# Altium PCB EPS.PcbDoc (part 1 of 11) (continued)
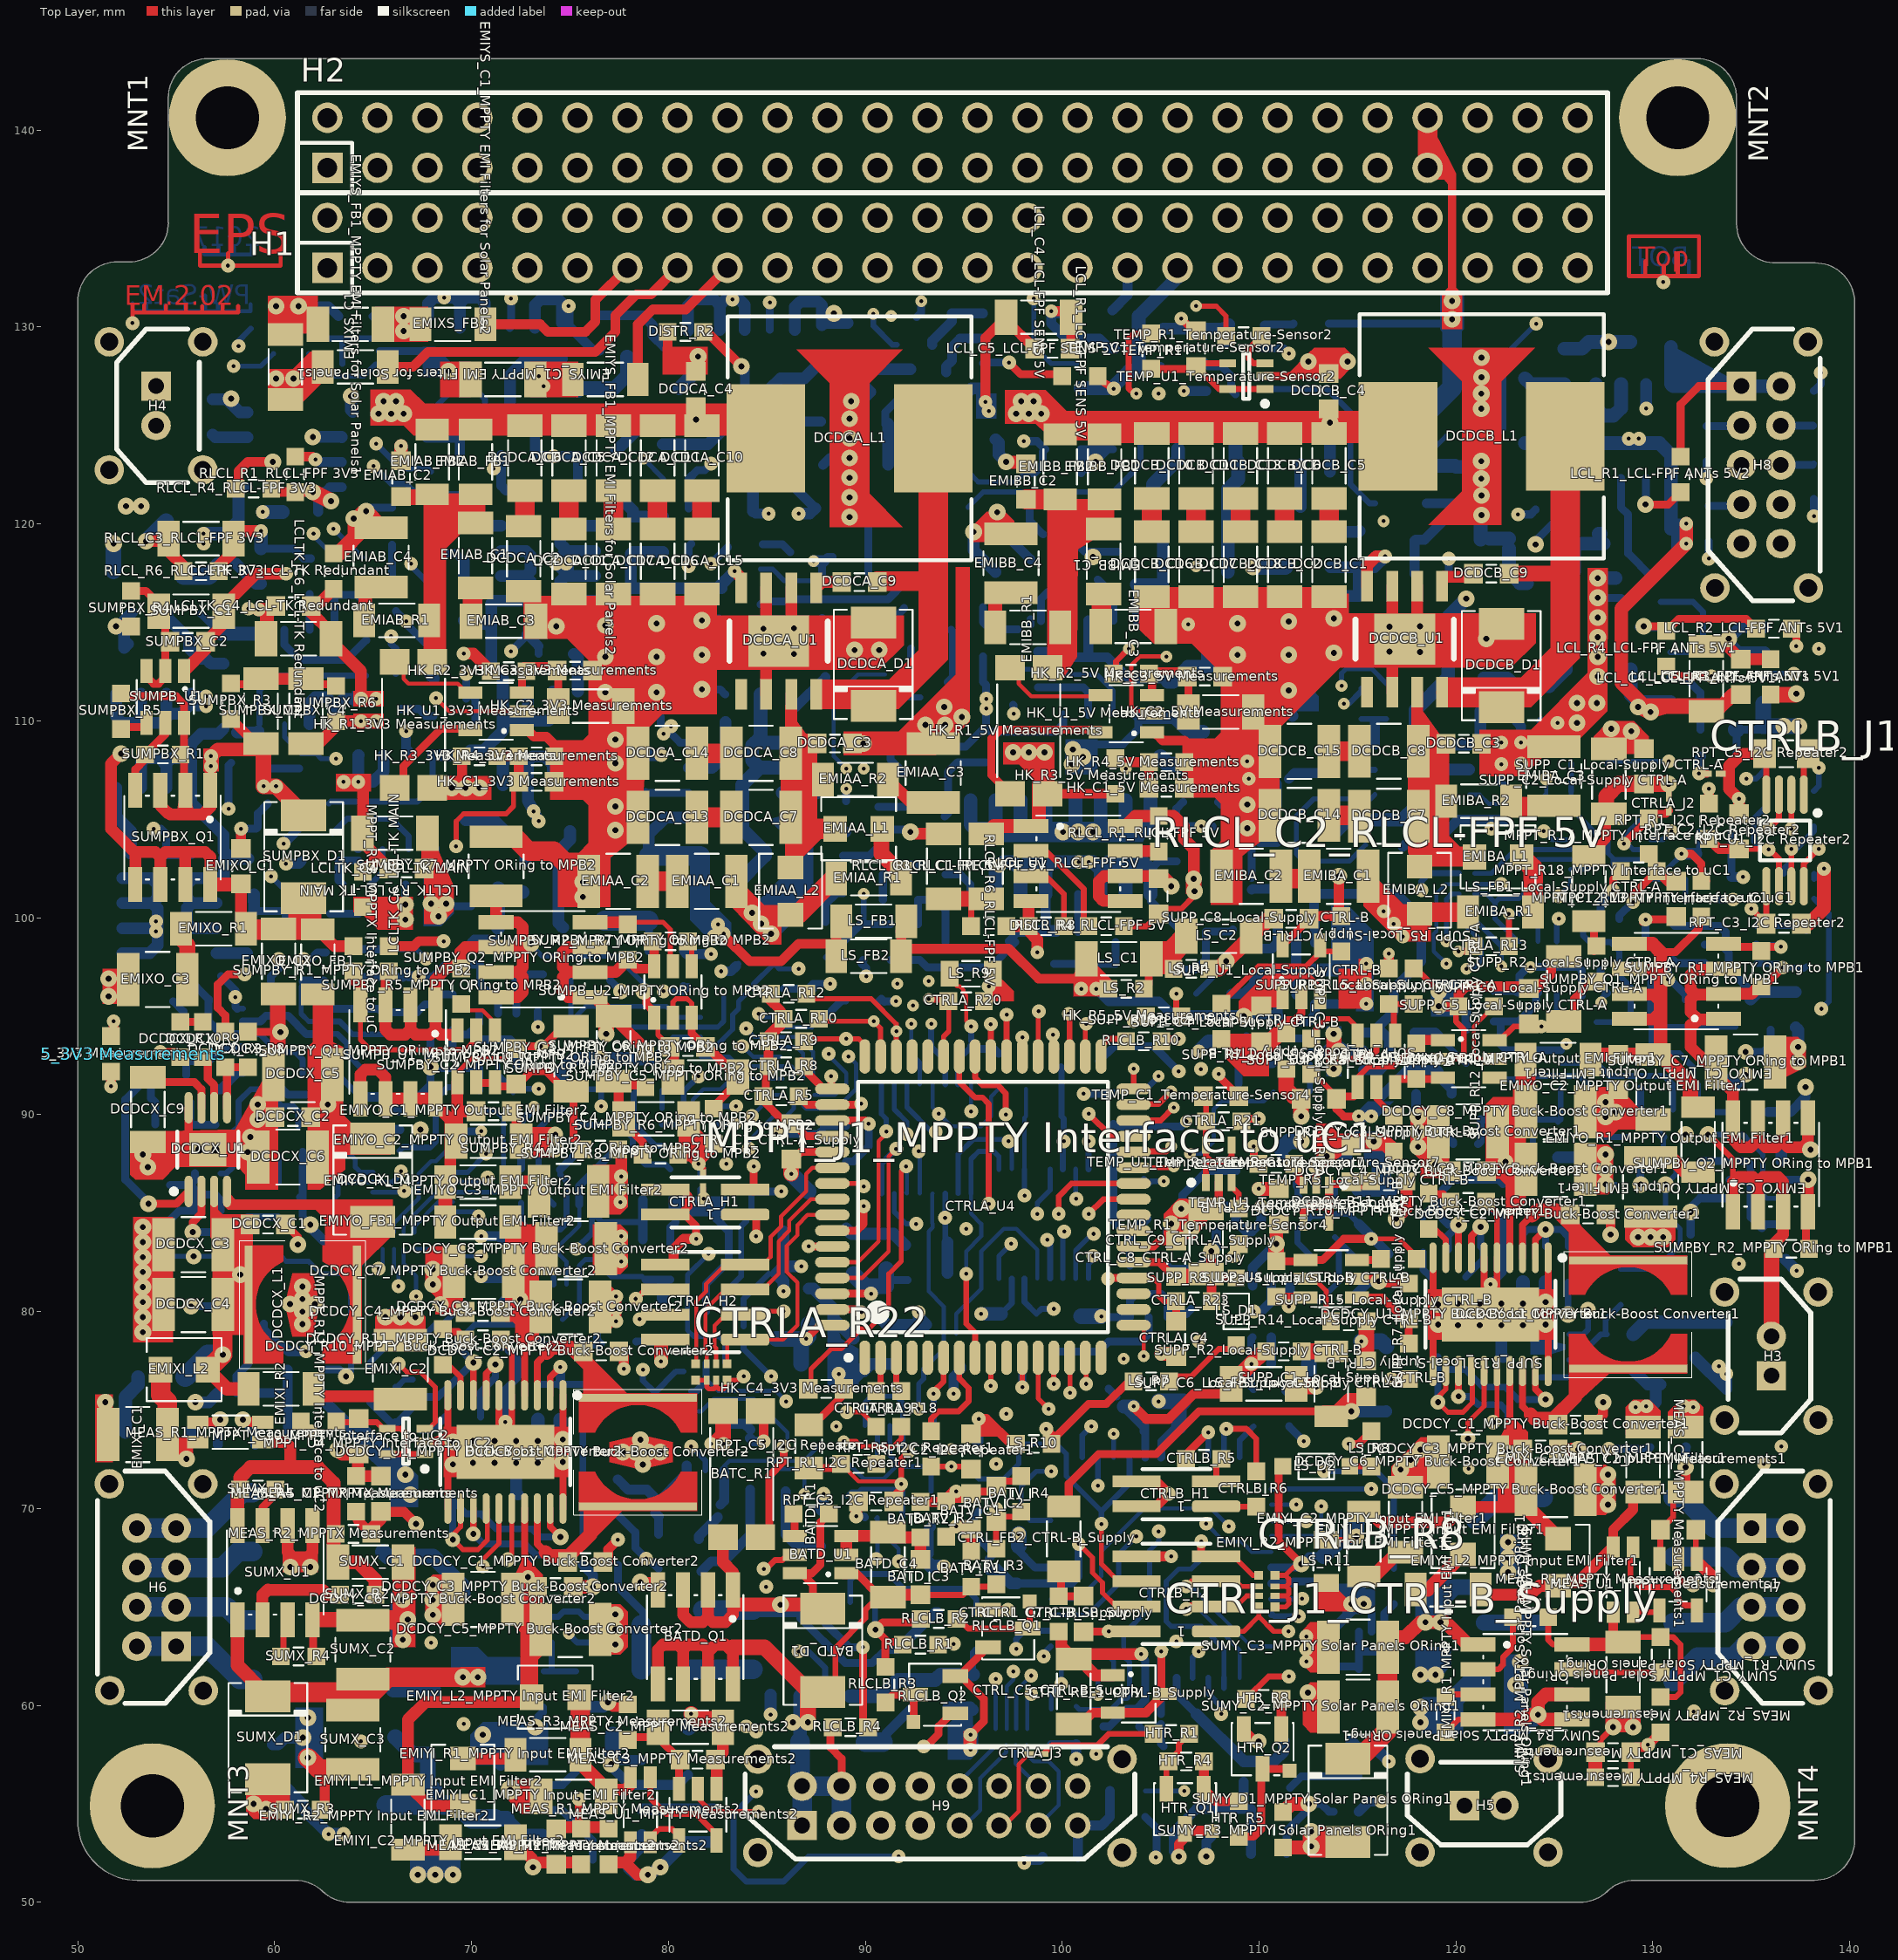
[diagram p0: Top Layer view]
## Classes and differential pairs
channel class EPS_Temperature-Sensor: Temperature-Sensor1 Temperature-Sensor2 Temperature-Sensor3 Temperature-Sensor4 Temperature-Sensor5 Temperature-Sensor6 Temperature-Sensor7 Temperature-Sensor8
channel class EPS_CTRL_AB_Supply: CTRL-A_Supply CTRL-B_Supply
component class Temperature-Sensor7: TEMP_C1_Temperature-Sensor7 TEMP_R1_Temperature-Sensor7 TEMP_U1_Temperature-Sensor7
component class Temperature-Sensor6: TEMP_C1_Temperature-Sensor6 TEMP_R1_Temperature-Sensor6 TEMP_U1_Temperature-Sensor6
component class Temperature-Sensor5: TEMP_C1_Temperature-Sensor5 TEMP_R1_Temperature-Sensor5 TEMP_U1_Temperature-Sensor5
component class Temperature-Sensor4: TEMP_C1_Temperature-Sensor4 TEMP_R1_Temperature-Sensor4 TEMP_U1_Temperature-Sensor4
component class Temperature-Sensor3: TEMP_C1_Temperature-Sensor3 TEMP_R1_Temperature-Sensor3 TEMP_U1_Temperature-Sensor3
component class Temperature-Sensor2: TEMP_C1_Temperature-Sensor2 TEMP_R1_Temperature-Sensor2 TEMP_U1_Temperature-Sensor2
component class Temperature-Sensor1: TEMP_C1_Temperature-Sensor1 TEMP_R1_Temperature-Sensor1 TEMP_U1_Temperature-Sensor1
component class "LCL-FPF ANTs 5V1": "LCL_C1_LCL-FPF ANTs 5V1" "LCL_C2_LCL-FPF ANTs 5V1" "LCL_C3_LCL-FPF ANTs 5V1" "LCL_C4_LCL-FPF ANTs 5V1" "LCL_C5_LCL-FPF ANTs 5V1" "LCL_R1_LCL-FPF ANTs 5V1" "LCL_R2_LCL-FPF ANTs 5V1" "LCL_R3_LCL-FPF ANTs 5V1" "LCL_R4_LCL-FPF ANTs 5V1" "LCL_R5_LCL-FPF ANTs 5V1" "LCL_U1_LCL-FPF ANTs 5V1"
component class CTRL-B_Supply: CTRL_C1_CTRL-B_Supply CTRL_C2_CTRL-B_Supply CTRL_C3_CTRL-B_Supply CTRL_C4_CTRL-B_Supply CTRL_C5_CTRL-B_Supply CTRL_C6_CTRL-B_Supply CTRL_C7_CTRL-B_Supply CTRL_C8_CTRL-B_Supply CTRL_C9_CTRL-B_Supply CTRL_FB1_CTRL-B_Supply CTRL_FB2_CTRL-B_Supply CTRL_J1_CTRL-B_Supply CTRL_R1_CTRL-B_Supply CTRL_REF1_CTRL-B_Supply
component class "Battery Pack": TEMP_R2
component class 5V: TEMP_R1
component class 3V3: TEMP_R4
component class CTRL-A_Supply: CTRL_C1_CTRL-A_Supply CTRL_C2_CTRL-A_Supply CTRL_C3_CTRL-A_Supply CTRL_C4_CTRL-A_Supply CTRL_C5_CTRL-A_Supply CTRL_C6_CTRL-A_Supply CTRL_C7_CTRL-A_Supply CTRL_C8_CTRL-A_Supply CTRL_C9_CTRL-A_Supply CTRL_FB1_CTRL-A_Supply CTRL_FB2_CTRL-A_Supply CTRL_J1_CTRL-A_Supply CTRL_R1_CTRL-A_Supply CTRL_REF1_CTRL-A_Supply
component class "PC-104 Stack Connector": H1 H2
component class EPS_Connectors: CONN_H? H3 H4 H5 H6 H7 H8 H9 H? MNT1 MNT2 MNT3 MNT4
component class "3V3 Buck Converter": DCDCA_C1 DCDCA_C2 DCDCA_C3 DCDCA_C4 DCDCA_C5 DCDCA_C6 DCDCA_C7 DCDCA_C8 DCDCA_C9 DCDCA_C10 DCDCA_C11 DCDCA_C12 DCDCA_C13 DCDCA_C14 DCDCA_C15 DCDCA_C16 DCDCA_C17 DCDCA_C18 DCDCA_C19 DCDCA_C20 DCDCA_C? DCDCA_D1 DCDCA_L1 DCDCA_R1 DCDCA_R2 DCDCA_R3 DCDCA_R4 DCDCA_R5 DCDCA_R? DCDCA_U1
component class "3V3 Input EMI Fitler": EMIAA_C1 EMIAA_C2 EMIAA_C3 EMIAA_L1 EMIAA_L2 EMIAA_R1 EMIAA_R2
component class "3V3 Measurements": "HK_C1_3V3 Measurements" "HK_C2_3V3 Measurements" "HK_C3_3V3 Measurements" "HK_C4_3V3 Measurements" "HK_R1_3V3 Measurements" "HK_R2_3V3 Measurements" "HK_R3_3V3 Measurements" "HK_R4_3V3 Measurements" "HK_R5_3V3 Measurements" "HK_U1_3V3 Measurements"
component class "3V3 Output EMI Fitler": EMIAB_C1 EMIAB_C2 EMIAB_C3 EMIAB_C4 EMIAB_FB1 EMIAB_FB2 EMIAB_R1
component class "5V Buck Converter": DCDCB_C1 DCDCB_C2 DCDCB_C3 DCDCB_C4 DCDCB_C5 DCDCB_C6 DCDCB_C7 DCDCB_C8 DCDCB_C9 DCDCB_C10 DCDCB_C11 DCDCB_C13 DCDCB_C14 DCDCB_C15 DCDCB_C16 DCDCB_C17 DCDCB_C18 DCDCB_C19 DCDCB_C20 DCDCB_C21 DCDCB_C? DCDCB_D1 DCDCB_L1 DCDCB_R1 DCDCB_R2 DCDCB_R3 DCDCB_R4 DCDCB_R5 DCDCB_R? DCDCB_U1
component class "5V Input EMI Fitler": EMIBA_C1 EMIBA_C2 EMIBA_C3 EMIBA_L1 EMIBA_L2 EMIBA_R1 EMIBA_R2
component class "5V Measurements": "HK_C1_5V Measurements" "HK_C2_5V Measurements" "HK_C3_5V Measurements" "HK_C4_5V Measurements" "HK_R1_5V Measurements" "HK_R2_5V Measurements" "HK_R3_5V Measurements" "HK_R4_5V Measurements" "HK_R5_5V Measurements" "HK_U1_5V Measurements"
component class "5V Output EMI Fitler": EMIBB_C1 EMIBB_C2 EMIBB_C3 EMIBB_C4 EMIBB_FB1 EMIBB_FB2 EMIBB_R1
component class "Battery Charger - RLCL": RLCLB_C1 RLCLB_C2 RLCLB_C3 RLCLB_C4 RLCLB_C5 RLCLB_C6 RLCLB_C7 RLCLB_C8 RLCLB_Q1 RLCLB_Q2 RLCLB_R1 RLCLB_R2 RLCLB_R3 RLCLB_R4 RLCLB_R6 RLCLB_R8 RLCLB_R9 RLCLB_R10 RLCLB_R11 RLCLB_R12 RLCLB_R13 RLCLB_U1
component class "Battery Current Meas.": BATC_C1 BATC_C2 BATC_C3 BATC_C4 BATC_R1 BATC_R2 BATC_R3 BATC_R4 BATC_R5 BATC_U1 BATC_U2
component class "Battery Discharger - Ideal Diode": BATD_C3 BATD_C4 BATD_D1 BATD_Q1 BATD_R1 BATD_R2 BATD_U1
component class "Battery Voltage Meas.": BATV_C1 BATV_C2 BATV_R1 BATV_R2 BATV_R3 BATV_R4
component class "Controller A": CTRLA_C1 CTRLA_C2 CTRLA_C3 CTRLA_C4 CTRLA_C5 CTRLA_C? CTRLA_FB? CTRLA_H1 CTRLA_H2 CTRLA_J1 CTRLA_J2 CTRLA_J3 CTRLA_J4 CTRLA_R1 CTRLA_R2 CTRLA_R3 CTRLA_R4 CTRLA_R5 CTRLA_R6 CTRLA_R7 CTRLA_R8 CTRLA_R9 CTRLA_R10 CTRLA_R11 CTRLA_R12 CTRLA_R13 CTRLA_R14 CTRLA_R15 CTRLA_R16 CTRLA_R17 CTRLA_R18 CTRLA_R19 CTRLA_R20 CTRLA_R21 CTRLA_R22 CTRLA_R23 CTRLA_R24 CTRLA_R25 CTRLA_R? CTRLA_U1 CTRLA_U2 CTRLA_U3 CTRLA_U4 CTRLA_U?
component class "Controller B": CTRLB_C1 CTRLB_C2 CTRLB_C3 CTRLB_C4 CTRLB_C5 CTRLB_H1 CTRLB_H2 CTRLB_J1 CTRLB_R1 CTRLB_R2 CTRLB_R3 CTRLB_R4 CTRLB_R5 CTRLB_R6 CTRLB_R7 CTRLB_R8 CTRLB_R9 CTRLB_R10 CTRLB_R11 CTRLB_R? CTRLB_U1
component class Distribution: DISTR_R1 DISTR_R2 DISTR_R3 DISTR_R4 DISTR_R5 DISTR_R6 DISTR_R7 DISTR_R8
component class "Heaters Control": HTR_Q1 HTR_Q2 HTR_Q3 HTR_R1 HTR_R2 HTR_R3 HTR_R4 HTR_R5 HTR_R6 HTR_R7 HTR_R8
component class "I2C Repeater1": "RPT_C1_I2C Repeater1" "RPT_C2_I2C Repeater1" "RPT_C3_I2C Repeater1" "RPT_C5_I2C Repeater1" "RPT_R1_I2C Repeater1" "RPT_R2_I2C Repeater1" "RPT_R3_I2C Repeater1" "RPT_R4_I2C Repeater1" "RPT_R5_I2C Repeater1" "RPT_R6_I2C Repeater1" "RPT_U1_I2C Repeater1"
component class "I2C Repeater2": "RPT_C1_I2C Repeater2" "RPT_C2_I2C Repeater2" "RPT_C3_I2C Repeater2" "RPT_C5_I2C Repeater2" "RPT_R1_I2C Repeater2" "RPT_R2_I2C Repeater2" "RPT_R3_I2C Repeater2" "RPT_R4_I2C Repeater2" "RPT_R5_I2C Repeater2" "RPT_R6_I2C Repeater2" "RPT_U1_I2C Repeater2"
component class "LCL-FPF ANTs 5V2": "LCL_C1_LCL-FPF ANTs 5V2" "LCL_C2_LCL-FPF ANTs 5V2" "LCL_C3_LCL-FPF ANTs 5V2" "LCL_C4_LCL-FPF ANTs 5V2" "LCL_C5_LCL-FPF ANTs 5V2" "LCL_R1_LCL-FPF ANTs 5V2" "LCL_R2_LCL-FPF ANTs 5V2" "LCL_R3_LCL-FPF ANTs 5V2" "LCL_R4_LCL-FPF ANTs 5V2" "LCL_R5_LCL-FPF ANTs 5V2" "LCL_U1_LCL-FPF ANTs 5V2"
component class "LCL-FPF CAMnadir 3V3": "LCL_C1_LCL-FPF CAMnadir 3V3" "LCL_C2_LCL-FPF CAMnadir 3V3" "LCL_C3_LCL-FPF CAMnadir 3V3" "LCL_C4_LCL-FPF CAMnadir 3V3" "LCL_C5_LCL-FPF CAMnadir 3V3" "LCL_R1_LCL-FPF CAMnadir 3V3" "LCL_R2_LCL-FPF CAMnadir 3V3" "LCL_R3_LCL-FPF CAMnadir 3V3" "LCL_R4_LCL-FPF CAMnadir 3V3" "LCL_R5_LCL-FPF CAMnadir 3V3" "LCL_U1_LCL-FPF CAMnadir 3V3"
component class "LCL-FPF CAMwing 3V3": "LCL_C1_LCL-FPF CAMwing 3V3" "LCL_C2_LCL-FPF CAMwing 3V3" "LCL_C3_LCL-FPF CAMwing 3V3" "LCL_C4_LCL-FPF CAMwing 3V3" "LCL_C5_LCL-FPF CAMwing 3V3" "LCL_R1_LCL-FPF CAMwing 3V3" "LCL_R2_LCL-FPF CAMwing 3V3" "LCL_R3_LCL-FPF CAMwing 3V3" "LCL_R4_LCL-FPF CAMwing 3V3" "LCL_R5_LCL-FPF CAMwing 3V3" "LCL_U1_LCL-FPF CAMwing 3V3"
component class "LCL-FPF SENS 5V": "LCL_C1_LCL-FPF SENS 5V" "LCL_C2_LCL-FPF SENS 5V" "LCL_C3_LCL-FPF SENS 5V" "LCL_C4_LCL-FPF SENS 5V" "LCL_C5_LCL-FPF SENS 5V" "LCL_R1_LCL-FPF SENS 5V" "LCL_R2_LCL-FPF SENS 5V" "LCL_R3_LCL-FPF SENS 5V" "LCL_R4_LCL-FPF SENS 5V" "LCL_R5_LCL-FPF SENS 5V" "LCL_U1_LCL-FPF SENS 5V"
component class "LCL-FPF SunS 3V3": "LCL_C1_LCL-FPF SunS 3V3" "LCL_C2_LCL-FPF SunS 3V3" "LCL_C3_LCL-FPF SunS 3V3" "LCL_C4_LCL-FPF SunS 3V3" "LCL_C5_LCL-FPF SunS 3V3" "LCL_R1_LCL-FPF SunS 3V3" "LCL_R2_LCL-FPF SunS 3V3" "LCL_R3_LCL-FPF SunS 3V3" "LCL_R4_LCL-FPF SunS 3V3" "LCL_R5_LCL-FPF SunS 3V3" "LCL_U1_LCL-FPF SunS 3V3"
component class "LCL-TK MAIN": "LCLTK_C1_LCL-TK MAIN" "LCLTK_C2_LCL-TK MAIN" "LCLTK_C3_LCL-TK MAIN" "LCLTK_C4_LCL-TK MAIN" "LCLTK_C5_LCL-TK MAIN" "LCLTK_C6_LCL-TK MAIN" "LCLTK_Q1_LCL-TK MAIN" "LCLTK_Q2_LCL-TK MAIN" "LCLTK_Q3_LCL-TK MAIN" "LCLTK_Q4_LCL-TK MAIN" "LCLTK_R1_LCL-TK MAIN" "LCLTK_R2_LCL-TK MAIN" "LCLTK_R3_LCL-TK MAIN" "LCLTK_R4_LCL-TK MAIN" "LCLTK_R5_LCL-TK MAIN" "LCLTK_R6_LCL-TK MAIN" "LCLTK_R7_LCL-TK MAIN" "LCLTK_R8_LCL-TK MAIN" "LCLTK_R9_LCL-TK MAIN" "LCLTK_R10_LCL-TK MAIN" "LCLTK_R11_LCL-TK MAIN" "LCLTK_R12_LCL-TK MAIN" "LCLTK_R13_LCL-TK MAIN" "LCLTK_R14_LCL-TK MAIN" "LCLTK_R15_LCL-TK MAIN" "LCLTK_R16_LCL-TK MAIN" "LCLTK_U1_LCL-TK MAIN"
component class "LCL-TK Redundant": "LCLTK_C1_LCL-TK Redundant" "LCLTK_C2_LCL-TK Redundant" "LCLTK_C3_LCL-TK Redundant" "LCLTK_C4_LCL-TK Redundant" "LCLTK_C5_LCL-TK Redundant" "LCLTK_C6_LCL-TK Redundant" "LCLTK_Q1_LCL-TK Redundant" "LCLTK_Q2_LCL-TK Redundant" "LCLTK_Q3_LCL-TK Redundant" "LCLTK_Q4_LCL-TK Redundant" "LCLTK_R1_LCL-TK Redundant" "LCLTK_R2_LCL-TK Redundant" "LCLTK_R3_LCL-TK Redundant" "LCLTK_R4_LCL-TK Redundant" "LCLTK_R5_LCL-TK Redundant" "LCLTK_R6_LCL-TK Redundant" "LCLTK_R7_LCL-TK Redundant" "LCLTK_R8_LCL-TK Redundant" "LCLTK_R9_LCL-TK Redundant" "LCLTK_R10_LCL-TK Redundant" "LCLTK_R11_LCL-TK Redundant" "LCLTK_R12_LCL-TK Redundant" "LCLTK_R13_LCL-TK Redundant" "LCLTK_R14_LCL-TK Redundant" "LCLTK_R15_LCL-TK Redundant" "LCLTK_R16_LCL-TK Redundant" "LCLTK_U1_LCL-TK Redundant"
component class "LCLs for DCDC": SEL_C1 SEL_C2 SEL_C3 SEL_C4 SEL_C5 SEL_C6 SEL_C7 SEL_D1 SEL_D2 SEL_D3 SEL_D4 SEL_D5 SEL_D6 SEL_Q1 SEL_Q2 SEL_Q? SEL_R1 SEL_R2 SEL_R3 SEL_R4 SEL_R5 SEL_R6 SEL_R7 SEL_R8 SEL_R9 SEL_R10 SEL_R11 SEL_R? SEL_U1 SEL_U2
component class "Local-Supply and WDTs": LS_C1 LS_C2 LS_D1 LS_D2 LS_FB1 LS_FB2 LS_R2 LS_R4 LS_R7 LS_R8 LS_R9 LS_R10 LS_R11
component class "Local-Supply CTRL-A": "LS_FB1_Local-Supply CTRL-A" "SUPP_C1_Local-Supply CTRL-A" "SUPP_C2_Local-Supply CTRL-A" "SUPP_C3_Local-Supply CTRL-A" "SUPP_C4_Local-Supply CTRL-A" "SUPP_C5_Local-Supply CTRL-A" "SUPP_C6_Local-Supply CTRL-A" "SUPP_C7_Local-Supply CTRL-A" "SUPP_C8_Local-Supply CTRL-A" "SUPP_C9_Local-Supply CTRL-A" "SUPP_C10_Local-Supply CTRL-A" "SUPP_R2_Local-Supply CTRL-A" "SUPP_R4_Local-Supply CTRL-A" "SUPP_R5_Local-Supply CTRL-A" "SUPP_R6_Local-Supply CTRL-A" "SUPP_R7_Local-Supply CTRL-A" "SUPP_R8_Local-Supply CTRL-A" "SUPP_R10_Local-Supply CTRL-A" "SUPP_R11_Local-Supply CTRL-A" "SUPP_R12_Local-Supply CTRL-A" "SUPP_R13_Local-Supply CTRL-A" "SUPP_R14_Local-Supply CTRL-A" "SUPP_R15_Local-Supply CTRL-A" "SUPP_U1_Local-Supply CTRL-A" "SUPP_U2_Local-Supply CTRL-A" "SUPP_U3_Local-Supply CTRL-A" "SUPP_U4_Local-Supply CTRL-A" "TEMP_R5_Local-Supply CTRL-A"
component class "Local-Supply CTRL-B": "LS_FB1_Local-Supply CTRL-B" "SUPP_C1_Local-Supply CTRL-B" "SUPP_C2_Local-Supply CTRL-B" "SUPP_C3_Local-Supply CTRL-B" "SUPP_C4_Local-Supply CTRL-B" "SUPP_C5_Local-Supply CTRL-B" "SUPP_C6_Local-Supply CTRL-B" "SUPP_C7_Local-Supply CTRL-B" "SUPP_C8_Local-Supply CTRL-B" "SUPP_C9_Local-Supply CTRL-B" "SUPP_C10_Local-Supply CTRL-B" "SUPP_R2_Local-Supply CTRL-B" "SUPP_R4_Local-Supply CTRL-B" "SUPP_R5_Local-Supply CTRL-B" "SUPP_R6_Local-Supply CTRL-B" "SUPP_R7_Local-Supply CTRL-B" "SUPP_R8_Local-Supply CTRL-B" "SUPP_R10_Local-Supply CTRL-B" "SUPP_R11_Local-Supply CTRL-B" "SUPP_R12_Local-Supply CTRL-B" "SUPP_R13_Local-Supply CTRL-B" "SUPP_R14_Local-Supply CTRL-B" "SUPP_R15_Local-Supply CTRL-B" "SUPP_U1_Local-Supply CTRL-B" "SUPP_U2_Local-Supply CTRL-B" "SUPP_U3_Local-Supply CTRL-B" "SUPP_U4_Local-Supply CTRL-B" "TEMP_R5_Local-Supply CTRL-B"
component class "MPPTX Boost Converter": DCDCX_C1 DCDCX_C2 DCDCX_C3 DCDCX_C4 DCDCX_C5 DCDCX_C6 DCDCX_C7 DCDCX_C8 DCDCX_C9 DCDCX_D1 DCDCX_L1 DCDCX_R1 DCDCX_R2 DCDCX_R3 DCDCX_R5 DCDCX_R6 DCDCX_R7 DCDCX_R8 DCDCX_R9 DCDCX_R10 DCDCX_R11 DCDCX_U1
component class "MPPTX EMI Filters for Solar Panels": EMIXS_C1 EMIXS_C2 EMIXS_C3 EMIXS_FB1 EMIXS_FB2 EMIXS_FB3 EMIXS_T1 EMIXS_T2
component class "MPPTX Input EMI Filter": EMIXI_C1 EMIXI_C2 EMIXI_L1 EMIXI_L2 EMIXI_R1 EMIXI_R2
component class "MPPTX Interface to uC": "MPPT_C1_MPPTX Interface to uC" "MPPT_C2_MPPTX Interface to uC" "MPPT_C3_MPPTX Interface to uC" "MPPT_C4_MPPTX Interface to uC" "MPPT_C5_MPPTX Interface to uC" "MPPT_C6_MPPTX Interface to uC" "MPPT_C7_MPPTX Interface to uC" "MPPT_C8_MPPTX Interface to uC" "MPPT_C9_MPPTX Interface to uC" "MPPT_C10_MPPTX Interface to uC" "MPPT_C11_MPPTX Interface to uC" "MPPT_C12_MPPTX Interface to uC" "MPPT_J1_MPPTX Interface to uC" "MPPT_R1_MPPTX Interface to uC" "MPPT_R2_MPPTX Interface to uC" "MPPT_R3_MPPTX Interface to uC" "MPPT_R4_MPPTX Interface to uC" "MPPT_R5_MPPTX Interface to uC" "MPPT_R6_MPPTX Interface to uC" "MPPT_R7_MPPTX Interface to uC" "MPPT_R8_MPPTX Interface to uC" "MPPT_R9_MPPTX Interface to uC" "MPPT_R10_MPPTX Interface to uC" "MPPT_R11_MPPTX Interface to uC" "MPPT_R12_MPPTX Interface to uC" "MPPT_R13_MPPTX Interface to uC" "MPPT_R14_MPPTX Interface to uC" "MPPT_R15_MPPTX Interface to uC" "MPPT_R16_MPPTX Interface to uC" "MPPT_R17_MPPTX Interface to uC" "MPPT_R18_MPPTX Interface to uC" "MPPT_U1_MPPTX Interface to uC" "MPPT_U2_MPPTX Interface to uC" "MPPT_U3_MPPTX Interface to uC" "MPPT_U4_MPPTX Interface to uC" "MPPT_U5_MPPTX Interface to uC"
component class "MPPTX Measurements": "MEAS_C1_MPPTX Measurements" "MEAS_C2_MPPTX Measurements" "MEAS_C3_MPPTX Measurements" "MEAS_R1_MPPTX Measurements" "MEAS_R2_MPPTX Measurements" "MEAS_R3_MPPTX Measurements" "MEAS_R4_MPPTX Measurements" "MEAS_U1_MPPTX Measurements"
component class "MPPTX ORing to MPB": SUMPB_U1 SUMPBX_C1 SUMPBX_C2 SUMPBX_C3 SUMPBX_C4 SUMPBX_D1 SUMPBX_Q1 SUMPBX_R1 SUMPBX_R3 SUMPBX_R4 SUMPBX_R5 SUMPBX_R6
component class "MPPTX Output EMI Filter": EMIXO_C1 EMIXO_C2 EMIXO_C3 EMIXO_FB1 EMIXO_R1
component class "MPPTX Solar Panels ORing": SUMX_C1 SUMX_C2 SUMX_C3 SUMX_D1 SUMX_R1 SUMX_R2 SUMX_R3 SUMX_R4 SUMX_U1
component class "MPPTY Buck-Boost Converter1": "DCDCX_C?_MPPTY Buck-Boost Converter1" "DCDCY_C1_MPPTY Buck-Boost Converter1" "DCDCY_C2_MPPTY Buck-Boost Converter1" "DCDCY_C3_MPPTY Buck-Boost Converter1" "DCDCY_C4_MPPTY Buck-Boost Converter1" "DCDCY_C5_MPPTY Buck-Boost Converter1" "DCDCY_C6_MPPTY Buck-Boost Converter1" "DCDCY_C7_MPPTY Buck-Boost Converter1" "DCDCY_C8_MPPTY Buck-Boost Converter1" "DCDCY_C9_MPPTY Buck-Boost Converter1" "DCDCY_C10_MPPTY Buck-Boost Converter1" "DCDCY_C11_MPPTY Buck-Boost Converter1" "DCDCY_C12_MPPTY Buck-Boost Converter1" "DCDCY_C13_MPPTY Buck-Boost Converter1" "DCDCY_C14_MPPTY Buck-Boost Converter1" "DCDCY_L1_MPPTY Buck-Boost Converter1" "DCDCY_R1_MPPTY Buck-Boost Converter1" "DCDCY_R2_MPPTY Buck-Boost Converter1" "DCDCY_R3_MPPTY Buck-Boost Converter1" "DCDCY_R4_MPPTY Buck-Boost Converter1" "DCDCY_R5_MPPTY Buck-Boost Converter1" "DCDCY_R6_MPPTY Buck-Boost Converter1" "DCDCY_R7_MPPTY Buck-Boost Converter1" "DCDCY_R8_MPPTY Buck-Boost Converter1" "DCDCY_R9_MPPTY Buck-Boost Converter1" "DCDCY_R10_MPPTY Buck-Boost Converter1" "DCDCY_R11_MPPTY Buck-Boost Converter1" "DCDCY_R?_MPPTY Buck-Boost Converter1" "DCDCY_U1_MPPTY Buck-Boost Converter1"
component class "MPPTY Buck-Boost Converter2": "DCDCX_C?_MPPTY Buck-Boost Converter2" "DCDCY_C1_MPPTY Buck-Boost Converter2" "DCDCY_C2_MPPTY Buck-Boost Converter2" "DCDCY_C3_MPPTY Buck-Boost Converter2" "DCDCY_C4_MPPTY Buck-Boost Converter2" "DCDCY_C5_MPPTY Buck-Boost Converter2" "DCDCY_C6_MPPTY Buck-Boost Converter2" "DCDCY_C7_MPPTY Buck-Boost Converter2" "DCDCY_C8_MPPTY Buck-Boost Converter2" "DCDCY_C9_MPPTY Buck-Boost Converter2" "DCDCY_C10_MPPTY Buck-Boost Converter2" "DCDCY_C11_MPPTY Buck-Boost Converter2" "DCDCY_C12_MPPTY Buck-Boost Converter2" "DCDCY_C13_MPPTY Buck-Boost Converter2" "DCDCY_C14_MPPTY Buck-Boost Converter2" "DCDCY_L1_MPPTY Buck-Boost Converter2" "DCDCY_R1_MPPTY Buck-Boost Converter2" "DCDCY_R2_MPPTY Buck-Boost Converter2" "DCDCY_R3_MPPTY Buck-Boost Converter2" "DCDCY_R4_MPPTY Buck-Boost Converter2" "DCDCY_R5_MPPTY Buck-Boost Converter2" "DCDCY_R6_MPPTY Buck-Boost Converter2" "DCDCY_R7_MPPTY Buck-Boost Converter2" "DCDCY_R8_MPPTY Buck-Boost Converter2" "DCDCY_R9_MPPTY Buck-Boost Converter2" "DCDCY_R10_MPPTY Buck-Boost Converter2" "DCDCY_R11_MPPTY Buck-Boost Converter2" "DCDCY_R?_MPPTY Buck-Boost Converter2" "DCDCY_U1_MPPTY Buck-Boost Converter2"
component class "MPPTY EMI Filters for Solar Panels1": "EMIYS_C1_MPPTY EMI Filters for Solar Panels1" "EMIYS_C2_MPPTY EMI Filters for Solar Panels1" "EMIYS_FB1_MPPTY EMI Filters for Solar Panels1" "EMIYS_FB2_MPPTY EMI Filters for Solar Panels1" "EMIYS_T1_MPPTY EMI Filters for Solar Panels1"
component class "MPPTY EMI Filters for Solar Panels2": "EMIYS_C1_MPPTY EMI Filters for Solar Panels2" "EMIYS_C2_MPPTY EMI Filters for Solar Panels2" "EMIYS_FB1_MPPTY EMI Filters for Solar Panels2" "EMIYS_FB2_MPPTY EMI Filters for Solar Panels2" "EMIYS_T1_MPPTY EMI Filters for Solar Panels2"
component class "MPPTY Input EMI Filter1": "EMIYI_C1_MPPTY Input EMI Filter1" "EMIYI_C2_MPPTY Input EMI Filter1" "EMIYI_L1_MPPTY Input EMI Filter1" "EMIYI_L2_MPPTY Input EMI Filter1" "EMIYI_R1_MPPTY Input EMI Filter1" "EMIYI_R2_MPPTY Input EMI Filter1"
component class "MPPTY Input EMI Filter2": "EMIYI_C1_MPPTY Input EMI Filter2" "EMIYI_C2_MPPTY Input EMI Filter2" "EMIYI_L1_MPPTY Input EMI Filter2" "EMIYI_L2_MPPTY Input EMI Filter2" "EMIYI_R1_MPPTY Input EMI Filter2" "EMIYI_R2_MPPTY Input EMI Filter2"
component class "MPPTY Interface to uC1": "MPPT_C1_MPPTY Interface to uC1" "MPPT_C2_MPPTY Interface to uC1" "MPPT_C3_MPPTY Interface to uC1" "MPPT_C4_MPPTY Interface to uC1" "MPPT_C5_MPPTY Interface to uC1" "MPPT_C6_MPPTY Interface to uC1" "MPPT_C7_MPPTY Interface to uC1" "MPPT_C8_MPPTY Interface to uC1" "MPPT_C9_MPPTY Interface to uC1" "MPPT_C10_MPPTY Interface to uC1" "MPPT_C11_MPPTY Interface to uC1" "MPPT_C12_MPPTY Interface to uC1" "MPPT_J1_MPPTY Interface to uC1" "MPPT_R1_MPPTY Interface to uC1" "MPPT_R2_MPPTY Interface to uC1" "MPPT_R3_MPPTY Interface to uC1" "MPPT_R4_MPPTY Interface to uC1" "MPPT_R5_MPPTY Interface to uC1" "MPPT_R6_MPPTY Interface to uC1" "MPPT_R7_MPPTY Interface to uC1" "MPPT_R8_MPPTY Interface to uC1" "MPPT_R9_MPPTY Interface to uC1" "MPPT_R10_MPPTY Interface to uC1" "MPPT_R11_MPPTY Interface to uC1" "MPPT_R12_MPPTY Interface to uC1" "MPPT_R13_MPPTY Interface to uC1" "MPPT_R14_MPPTY Interface to uC1" "MPPT_R15_MPPTY Interface to uC1" "MPPT_R16_MPPTY Interface to uC1" "MPPT_R17_MPPTY Interface to uC1" "MPPT_R18_MPPTY Interface to uC1" "MPPT_U1_MPPTY Interface to uC1" "MPPT_U2_MPPTY Interface to uC1" "MPPT_U3_MPPTY Interface to uC1" "MPPT_U4_MPPTY Interface to uC1" "MPPT_U5_MPPTY Interface to uC1"
component class "MPPTY Interface to uC2": "MPPT_C1_MPPTY Interface to uC2" "MPPT_C2_MPPTY Interface to uC2" "MPPT_C3_MPPTY Interface to uC2" "MPPT_C4_MPPTY Interface to uC2" "MPPT_C5_MPPTY Interface to uC2" "MPPT_C6_MPPTY Interface to uC2" "MPPT_C7_MPPTY Interface to uC2" "MPPT_C8_MPPTY Interface to uC2" "MPPT_C9_MPPTY Interface to uC2" "MPPT_C10_MPPTY Interface to uC2" "MPPT_C11_MPPTY Interface to uC2" "MPPT_C12_MPPTY Interface to uC2" "MPPT_J1_MPPTY Interface to uC2" "MPPT_R1_MPPTY Interface to uC2" "MPPT_R2_MPPTY Interface to uC2" "MPPT_R3_MPPTY Interface to uC2" "MPPT_R4_MPPTY Interface to uC2" "MPPT_R5_MPPTY Interface to uC2" "MPPT_R6_MPPTY Interface to uC2" "MPPT_R7_MPPTY Interface to uC2" "MPPT_R8_MPPTY Interface to uC2" "MPPT_R9_MPPTY Interface to uC2" "MPPT_R10_MPPTY Interface to uC2" "MPPT_R11_MPPTY Interface to uC2" "MPPT_R12_MPPTY Interface to uC2" "MPPT_R13_MPPTY Interface to uC2" "MPPT_R14_MPPTY Interface to uC2" "MPPT_R15_MPPTY Interface to uC2" "MPPT_R16_MPPTY Interface to uC2" "MPPT_R17_MPPTY Interface to uC2" "MPPT_R18_MPPTY Interface to uC2" "MPPT_U1_MPPTY Interface to uC2" "MPPT_U2_MPPTY Interface to uC2" "MPPT_U3_MPPTY Interface to uC2" "MPPT_U4_MPPTY Interface to uC2" "MPPT_U5_MPPTY Interface to uC2"
component class "MPPTY Measurements1": "MEAS_C1_MPPTY Measurements1" "MEAS_C2_MPPTY Measurements1" "MEAS_C3_MPPTY Measurements1" "MEAS_R1_MPPTY Measurements1" "MEAS_R2_MPPTY Measurements1" "MEAS_R3_MPPTY Measurements1" "MEAS_R4_MPPTY Measurements1" "MEAS_U1_MPPTY Measurements1"
component class "MPPTY Measurements2": "MEAS_C1_MPPTY Measurements2" "MEAS_C2_MPPTY Measurements2" "MEAS_C3_MPPTY Measurements2" "MEAS_R1_MPPTY Measurements2" "MEAS_R2_MPPTY Measurements2" "MEAS_R3_MPPTY Measurements2" "MEAS_R4_MPPTY Measurements2" "MEAS_U1_MPPTY Measurements2"
component class "MPPTY ORing to MPB1": "SUMPB_U1_MPPTY ORing to MPB1" "SUMPB_U2_MPPTY ORing to MPB1" "SUMPBY_C1_MPPTY ORing to MPB1" "SUMPBY_C2_MPPTY ORing to MPB1" "SUMPBY_C3_MPPTY ORing to MPB1" "SUMPBY_C4_MPPTY ORing to MPB1" "SUMPBY_C5_MPPTY ORing to MPB1" "SUMPBY_C6_MPPTY ORing to MPB1" "SUMPBY_C7_MPPTY ORing to MPB1" "SUMPBY_Q1_MPPTY ORing to MPB1" "SUMPBY_Q2_MPPTY ORing to MPB1" "SUMPBY_R1_MPPTY ORing to MPB1" "SUMPBY_R2_MPPTY ORing to MPB1" "SUMPBY_R3_MPPTY ORing to MPB1" "SUMPBY_R4_MPPTY ORing to MPB1" "SUMPBY_R5_MPPTY ORing to MPB1" "SUMPBY_R6_MPPTY ORing to MPB1" "SUMPBY_R7_MPPTY ORing to MPB1" "SUMPBY_R8_MPPTY ORing to MPB1"
component class "MPPTY ORing to MPB2": "SUMPB_U1_MPPTY ORing to MPB2" "SUMPB_U2_MPPTY ORing to MPB2" "SUMPBY_C1_MPPTY ORing to MPB2" "SUMPBY_C2_MPPTY ORing to MPB2" "SUMPBY_C3_MPPTY ORing to MPB2" "SUMPBY_C4_MPPTY ORing to MPB2" "SUMPBY_C5_MPPTY ORing to MPB2" "SUMPBY_C6_MPPTY ORing to MPB2" "SUMPBY_C7_MPPTY ORing to MPB2" "SUMPBY_Q1_MPPTY ORing to MPB2" "SUMPBY_Q2_MPPTY ORing to MPB2" "SUMPBY_R1_MPPTY ORing to MPB2" "SUMPBY_R2_MPPTY ORing to MPB2" "SUMPBY_R3_MPPTY ORing to MPB2" "SUMPBY_R4_MPPTY ORing to MPB2" "SUMPBY_R5_MPPTY ORing to MPB2" "SUMPBY_R6_MPPTY ORing to MPB2" "SUMPBY_R7_MPPTY ORing to MPB2" "SUMPBY_R8_MPPTY ORing to MPB2"
component class "MPPTY Output EMI Filter1": "EMIYO_C1_MPPTY Output EMI Filter1" "EMIYO_C2_MPPTY Output EMI Filter1" "EMIYO_C3_MPPTY Output EMI Filter1" "EMIYO_FB1_MPPTY Output EMI Filter1" "EMIYO_R1_MPPTY Output EMI Filter1"
component class "MPPTY Output EMI Filter2": "EMIYO_C1_MPPTY Output EMI Filter2" "EMIYO_C2_MPPTY Output EMI Filter2" "EMIYO_C3_MPPTY Output EMI Filter2" "EMIYO_FB1_MPPTY Output EMI Filter2" "EMIYO_R1_MPPTY Output EMI Filter2"
component class "MPPTY Solar Panels ORing1": "SUMY_C1_MPPTY Solar Panels ORing1" "SUMY_C2_MPPTY Solar Panels ORing1" "SUMY_C3_MPPTY Solar Panels ORing1" "SUMY_D1_MPPTY Solar Panels ORing1" "SUMY_R1_MPPTY Solar Panels ORing1" "SUMY_R2_MPPTY Solar Panels ORing1" "SUMY_R3_MPPTY Solar Panels ORing1" "SUMY_R4_MPPTY Solar Panels ORing1" "SUMY_U1_MPPTY Solar Panels ORing1"
component class "MPPTY Solar Panels ORing2": "SUMY_C1_MPPTY Solar Panels ORing2" "SUMY_C2_MPPTY Solar Panels ORing2" "SUMY_C3_MPPTY Solar Panels ORing2" "SUMY_D1_MPPTY Solar Panels ORing2" "SUMY_R1_MPPTY Solar Panels ORing2" "SUMY_R2_MPPTY Solar Panels ORing2" "SUMY_R3_MPPTY Solar Panels ORing2" "SUMY_R4_MPPTY Solar Panels ORing2" "SUMY_U1_MPPTY Solar Panels ORing2"
component class "RBL & Inrush Limit": RBL_C1 RBL_C2 RBL_C3 RBL_C4 RBL_Q1 RBL_Q2 RBL_Q3 RBL_Q4 RBL_R1 RBL_R2 RBL_R3 RBL_R4 RBL_R5 RBL_R6 RBL_R7 RBL_R8 RBL_R9 RBL_R10
component class "RLCL-FPF 3V3": "RLCL_C1_RLCL-FPF 3V3" "RLCL_C2_RLCL-FPF 3V3" "RLCL_C3_RLCL-FPF 3V3" "RLCL_R1_RLCL-FPF 3V3" "RLCL_R4_RLCL-FPF 3V3" "RLCL_R6_RLCL-FPF 3V3" "RLCL_U1_RLCL-FPF 3V3"
component class "RLCL-FPF 5V": "RLCL_C1_RLCL-FPF 5V" "RLCL_C2_RLCL-FPF 5V" "RLCL_C3_RLCL-FPF 5V" "RLCL_R1_RLCL-FPF 5V" "RLCL_R4_RLCL-FPF 5V" "RLCL_R6_RLCL-FPF 5V" "RLCL_U1_RLCL-FPF 5V"
component class "VBAT RLCL": "RLCL_C1_VBAT RLCL" "RLCL_C2_VBAT RLCL" "RLCL_C3_VBAT RLCL" "RLCL_C4_VBAT RLCL" "RLCL_C5_VBAT RLCL" "RLCL_R2_VBAT RLCL" "RLCL_R3_VBAT RLCL" "RLCL_R4_VBAT RLCL" "RLCL_R5_VBAT RLCL" "RLCL_R6_VBAT RLCL" "RLCL_U1_VBAT RLCL"
component class "DCDC RLCL": "RLCL_C1_DCDC RLCL" "RLCL_C2_DCDC RLCL" "RLCL_C3_DCDC RLCL" "RLCL_C4_DCDC RLCL" "RLCL_C5_DCDC RLCL" "RLCL_R2_DCDC RLCL" "RLCL_R3_DCDC RLCL" "RLCL_R4_DCDC RLCL" "RLCL_R5_DCDC RLCL" "RLCL_R6_DCDC RLCL" "RLCL_U1_DCDC RLCL"
component class "VBAT EMI Filter R": EMIVBAT_C1 EMIVBAT_C2 EMIVBAT_C3 EMIVBAT_C4 EMIVBAT_C5 EMIVBAT_FB1 EMIVBAT_FB2 EMIVBAT_R1
component class "VBAT Measurements": "HK_C1_VBAT Measurements" "HK_C2_VBAT Measurements" "HK_C3_VBAT Measurements" "HK_C4_VBAT Measurements" "HK_R1_VBAT Measurements" "HK_R2_VBAT Measurements" "HK_R3_VBAT Measurements" "HK_R4_VBAT Measurements" "HK_R5_VBAT Measurements" "HK_U1_VBAT Measurements"
channel class EPS_DCDC_RLCL-FPF: "DCDC RLCL" "RLCL-FPF N1" "RLCL-FPF N2" "VBAT RLCL"
channel class EPS_Distribution_LCL-FPF: "LCL-FPF ANTs 5V2" "LCL-FPF CAMnadir 3V3" "LCL-FPF CAMwing 3V3" "LCL-FPF SENS 5V" "LCL-FPF SunS 3V3"
channel class EPS_Distribution_LCL-TK: "LCL-TK MAIN" "LCL-TK Redundant"
channel class EPS_Distribution_Measurements: "3V3 Measurements" "5V Measurements" "VBAT Measurements"
channel class EPS_Distribution_RLCL-FPF: "RLCL-FPF 3V3" "RLCL-FPF 5V" "RLCL-FPF VBAT"
channel class EPS_I2C-Repeater: "I2C Repeater1" "I2C Repeater2"
channel class EPS_Local-Supply_Channel: "Local-Supply CTRL-A" "Local-Supply CTRL-B"
channel class EPS_MPPT_XY_Interface: "MPPTX Interface to uC" "MPPTY Interface to uC1" "MPPTY Interface to uC2"
channel class EPS_MPPT_XY_Measurements: "MPPTX Measurements" "MPPTY Measurements1" "MPPTY Measurements2"
channel class EPS_MPPT_Y: "MPPT Y+" "MPPT Y-"
channel class EPS_MPPT_Y_Buck-Boost-Converter: "MPPTY Buck-Boost Converter1" "MPPTY Buck-Boost Converter2"
channel class EPS_MPPT_Y_EMI-Filter_In: "MPPTY Input EMI Filter1" "MPPTY Input EMI Filter2"
channel class EPS_MPPT_Y_EMI-Filter_Out: "MPPTY Output EMI Filter1" "MPPTY Output EMI Filter2"
channel class EPS_MPPT_Y_EMI-Filter_Solar-Panels: "MPPTY EMI Filters for Solar Panels1" "MPPTY EMI Filters for Solar Panels2"
channel class EPS_MPPT_Y_OR_MPB: "MPPTY ORing to MPB1" "MPPTY ORing to MPB2"
channel class EPS_MPPT_Y_OR_Solar: "MPPTY Solar Panels ORing1" "MPPTY Solar Panels ORing2"

## Components (designator, comment, footprint, x,y, rotation, side; value= is the part's Value field where it differs from the comment)
BATC_C1 "100n/50V" SMD_Capacitor_0603 85.217,69.596 r180 bottom
BATC_C2 "1u/25V" SMD_Capacitor_1206 84.836,67.691 r180 bottom
BATC_C3 "1u/25V" SMD_Capacitor_1206 81.153,70.104 r0 bottom
BATC_C4 "100n/50V" SMD_Capacitor_0603 80.645,68.453 r0 bottom
BATC_R1 "0.033R/1%" SMD_Resistor-shunt_2512 83.721,71.742 r90 top
BATC_R2 "51R" SMD_Resistor_0603 87.757,68.961 r90 bottom
BATC_R3 "1k/1%" SMD_Resistor_0603 80.772,66.802 r0 bottom
BATC_R4 "1k/1%" SMD_Resistor_0603 77.343,70.485 r90 bottom
BATC_R5 "51R" SMD_Resistor_0603 87.757,72.39 r90 bottom
BATC_U1 "MAX4372F" SOT23-5 85.09,72.263 r90 bottom
BATC_U2 "MAX4372F" SOT23-5 81.877,73.241 r90 bottom
BATD_C3 "100n/50V" SMD_Capacitor_0603 92.799,66.51 r90 top
BATD_C4 "1u/25V" SMD_Capacitor_1206 91.148,67.145 r90 top
BATD_D1 "STPS340U" DO-214AA 87.846,62.827 r270 top
BATD_Q1 "IRF7416" SOIC-8-N_SSSGDDDD 81.369,63.462 r270 top
BATD_R1 "470k/1%" SMD_Resistor_0603 87.249,69.723 r180 top
BATD_R2 "1k/1%" SMD_Resistor_0603 92.799,69.431 r90 top
BATD_U1 "LTC4412" SOT23-6 87.719,67.653 r180 top
BATV_C1 "100n/50V" SMD_Capacitor_0603 95.377,69.85 r90 top
BATV_C2 "100n/50V" SMD_Capacitor_0603 96.647,70.231 r90 top
BATV_R1 "470k/1%" SMD_Resistor_0603 95.377,66.929 r90 top
BATV_R2 "150k/1%" SMD_Resistor_0603 94.107,69.469 r90 top
BATV_R3 "470k/1%" SMD_Resistor_0603 96.647,67.056 r90 top
BATV_R4 "150k/1%" SMD_Resistor_0603 97.917,70.739 r90 top
CTRL_C1_CTRL-A_Supply "100n/50V" SMD_Capacitor_0603 86.233,88.646 r270 top (schematic designator CTRL_C1)
CTRL_C1_CTRL-B_Supply "100n/50V" SMD_Capacitor_0603 105.029,74.168 r0 bottom (schematic designator CTRL_C1)
CTRL_C2_CTRL-A_Supply "2.2u/50V" SMD_Capacitor_1206 87.503,87.503 r270 bottom (schematic designator CTRL_C2)
CTRL_C2_CTRL-B_Supply "2.2u/50V" SMD_Capacitor_1206 104.394,75.692 r0 bottom (schematic designator CTRL_C2)
CTRL_C3_CTRL-A_Supply "10u/16V" SMD_Capacitor_1206 88.265,76.962 r0 bottom (schematic designator CTRL_C3)
CTRL_C3_CTRL-B_Supply "10u/16V" SMD_Capacitor_1206 106.807,57.785 r180 bottom (schematic designator CTRL_C3)
CTRL_C4_CTRL-A_Supply "100n/50V" SMD_Capacitor_0603 87.122,80.264 r90 bottom (schematic designator CTRL_C4)
CTRL_C4_CTRL-B_Supply "100n/50V" SMD_Capacitor_0603 106.045,59.309 r180 bottom (schematic designator CTRL_C4)
CTRL_C5_CTRL-A_Supply "10u/16V" SMD_Capacitor_1206 89.408,80.264 r270 bottom (schematic designator CTRL_C5)
CTRL_C5_CTRL-B_Supply "10u/16V" SMD_Capacitor_1206 100.584,60.706 r270 top (schematic designator CTRL_C5)
CTRL_C6_CTRL-A_Supply "100n/50V" SMD_Capacitor_0603 91.059,80.264 r270 bottom (schematic designator CTRL_C6)
CTRL_C6_CTRL-B_Supply "100n/50V" SMD_Capacitor_0603 102.997,58.801 r0 bottom (schematic designator CTRL_C6)
CTRL_C7_CTRL-A_Supply "100n/50V" SMD_Capacitor_0603 93.218,83.312 r0 bottom (schematic designator CTRL_C7)
CTRL_C7_CTRL-B_Supply "100n/50V" SMD_Capacitor_0603 101.092,64.643 r270 top (schematic designator CTRL_C7)
CTRL_C8_CTRL-A_Supply "100n/50V" SMD_Capacitor_0603 105.791,82.677 r90 top (schematic designator CTRL_C8)
CTRL_C8_CTRL-B_Supply "100n/50V" SMD_Capacitor_0603 113.411,66.675 r270 bottom (schematic designator CTRL_C8)
CTRL_C9_CTRL-A_Supply "2.2u/50V" SMD_Capacitor_1206 107.315,83.566 r90 top (schematic designator CTRL_C9)
CTRL_C9_CTRL-B_Supply "2.2u/50V" SMD_Capacitor_1206 115.062,67.818 r270 bottom (schematic designator CTRL_C9)
CTRL_FB1_CTRL-A_Supply "120R/100MHz" SMD_FerriteBead_1206 85.471,80.391 r270 bottom (schematic designator CTRL_FB1)
CTRL_FB1_CTRL-B_Supply "120R/100MHz" SMD_FerriteBead_1206 113.03,58.166 r180 bottom (schematic designator CTRL_FB1)
CTRL_FB2_CTRL-A_Supply "120R/100MHz" SMD_FerriteBead_1206 87.376,83.693 r0 bottom (schematic designator CTRL_FB2)
CTRL_FB2_CTRL-B_Supply "120R/100MHz" SMD_FerriteBead_1206 100.076,68.453 r270 top (schematic designator CTRL_FB2)
CTRL_J1_CTRL-A_Supply "2 way net tie junction" 2way_LP 94.615,84.455 r145 bottom net-tie (schematic designator CTRL_J1)
CTRL_J1_CTRL-B_Supply "2 way net tie junction" 2way_LP 105.41,62.992 r220 top net-tie (schematic designator CTRL_J1)
CTRL_R1_CTRL-A_Supply "4.7k/1%" SMD_Resistor_0603 91.059,83.058 r90 bottom (schematic designator CTRL_R1)
CTRL_R1_CTRL-B_Supply "4.7k/1%" SMD_Resistor_0603 99.822,64.643 r90 top (schematic designator CTRL_R1)
CTRL_REF1_CTRL-A_Supply "LM4040-3V 1%" SOT23-3 93.218,80.645 r270 bottom (schematic designator CTRL_REF1)
CTRL_REF1_CTRL-B_Supply "LM4040-3V 1%" SOT23-3 103.886,60.579 r0 top (schematic designator CTRL_REF1)
CTRLA_C1 "100n/50V" SMD_Capacitor_0603 94.488,93.472 r0 bottom
CTRLA_C2 "100n/50V" SMD_Capacitor_0603 99.06,89.916 r180 bottom
CTRLA_C3 "100n/50V" SMD_Capacitor_0603 97.79,79.883 r180 bottom
CTRLA_C4 "10n/50V" SMD_Capacitor_0603 105.791,78.613 r270 top
CTRLA_C5 "100n/50V" SMD_Capacitor_0603 106.553,81.026 r270 bottom
CTRLA_H1 "CTRLA_UART" Connfly_DS1031-04-2 83.895,84.925 r90 top
CTRLA_H2 "CTRLA_JTAG" Connfly_DS1031-08-2 83.895,78.575 r90 top
CTRLA_J1 "2 way net tie junction" 2way_LP 63.881,79.502 r270 bottom net-tie
CTRLA_J2 "2 way net tie junction" 2way_LP 130.81,105.791 r90 top net-tie
CTRLA_J3 "2 way net tie junction" 2way_LP 98.679,57.531 r0 top net-tie
CTRLA_J4 "2 way net tie junction" 2way_LP 83.82,78.994 r90 bottom net-tie
CTRLA_R1 "4x51R" SMD_RESISTOR_ARRAY_YC124 65.481,83.185 r0 bottom
CTRLA_R2 "330k" SMD_Resistor_0603 89.027,88.392 r270 bottom
CTRLA_R3 "51R" SMD_Resistor_0603 98.806,77.851 r0 bottom
CTRLA_R4 "33R" SMD_Resistor_0603 102.616,90.297 r90 bottom
CTRLA_R5 "330k" SMD_Resistor_0603 85.725,90.932 r0 top
CTRLA_R6 "2.2k" SMD_Resistor_0603 100.965,78.867 r270 bottom
CTRLA_R7 "2.2k" SMD_Resistor_0603 104.394,83.693 r180 bottom
CTRLA_R8 "330k" SMD_Resistor_0603 85.979,92.456 r0 top
CTRLA_R9 "330k" SMD_Resistor_0603 85.979,93.726 r0 top
CTRLA_R10 "330k" SMD_Resistor_0603 86.741,94.869 r0 top
CTRLA_R11 "4x51R" SMD_RESISTOR_ARRAY_YC124 120.142,102.26 r270 bottom
CTRLA_R12 "330k" SMD_Resistor_0603 86.106,96.139 r0 top
CTRLA_R13 "33R" SMD_Resistor_0603 121.793,98.552 r0 top
CTRLA_R14 "10k/1%" SMD_Resistor_0603 100.965,92.71 r0 bottom